# Altium PCB Hvamp_32.PCBDOC (part 2 of 6)
Units mm, origin at the board's own origin, x right, y up, seen from the top; angles counter-clockwise.
Board outline 125.1 x 100.1 mm, 6 copper layers (L1, L2, L3, L4, P5, L6), stack 1.514 mm thick; 578 components, 364 nets, 1709 pads, 908 vias.
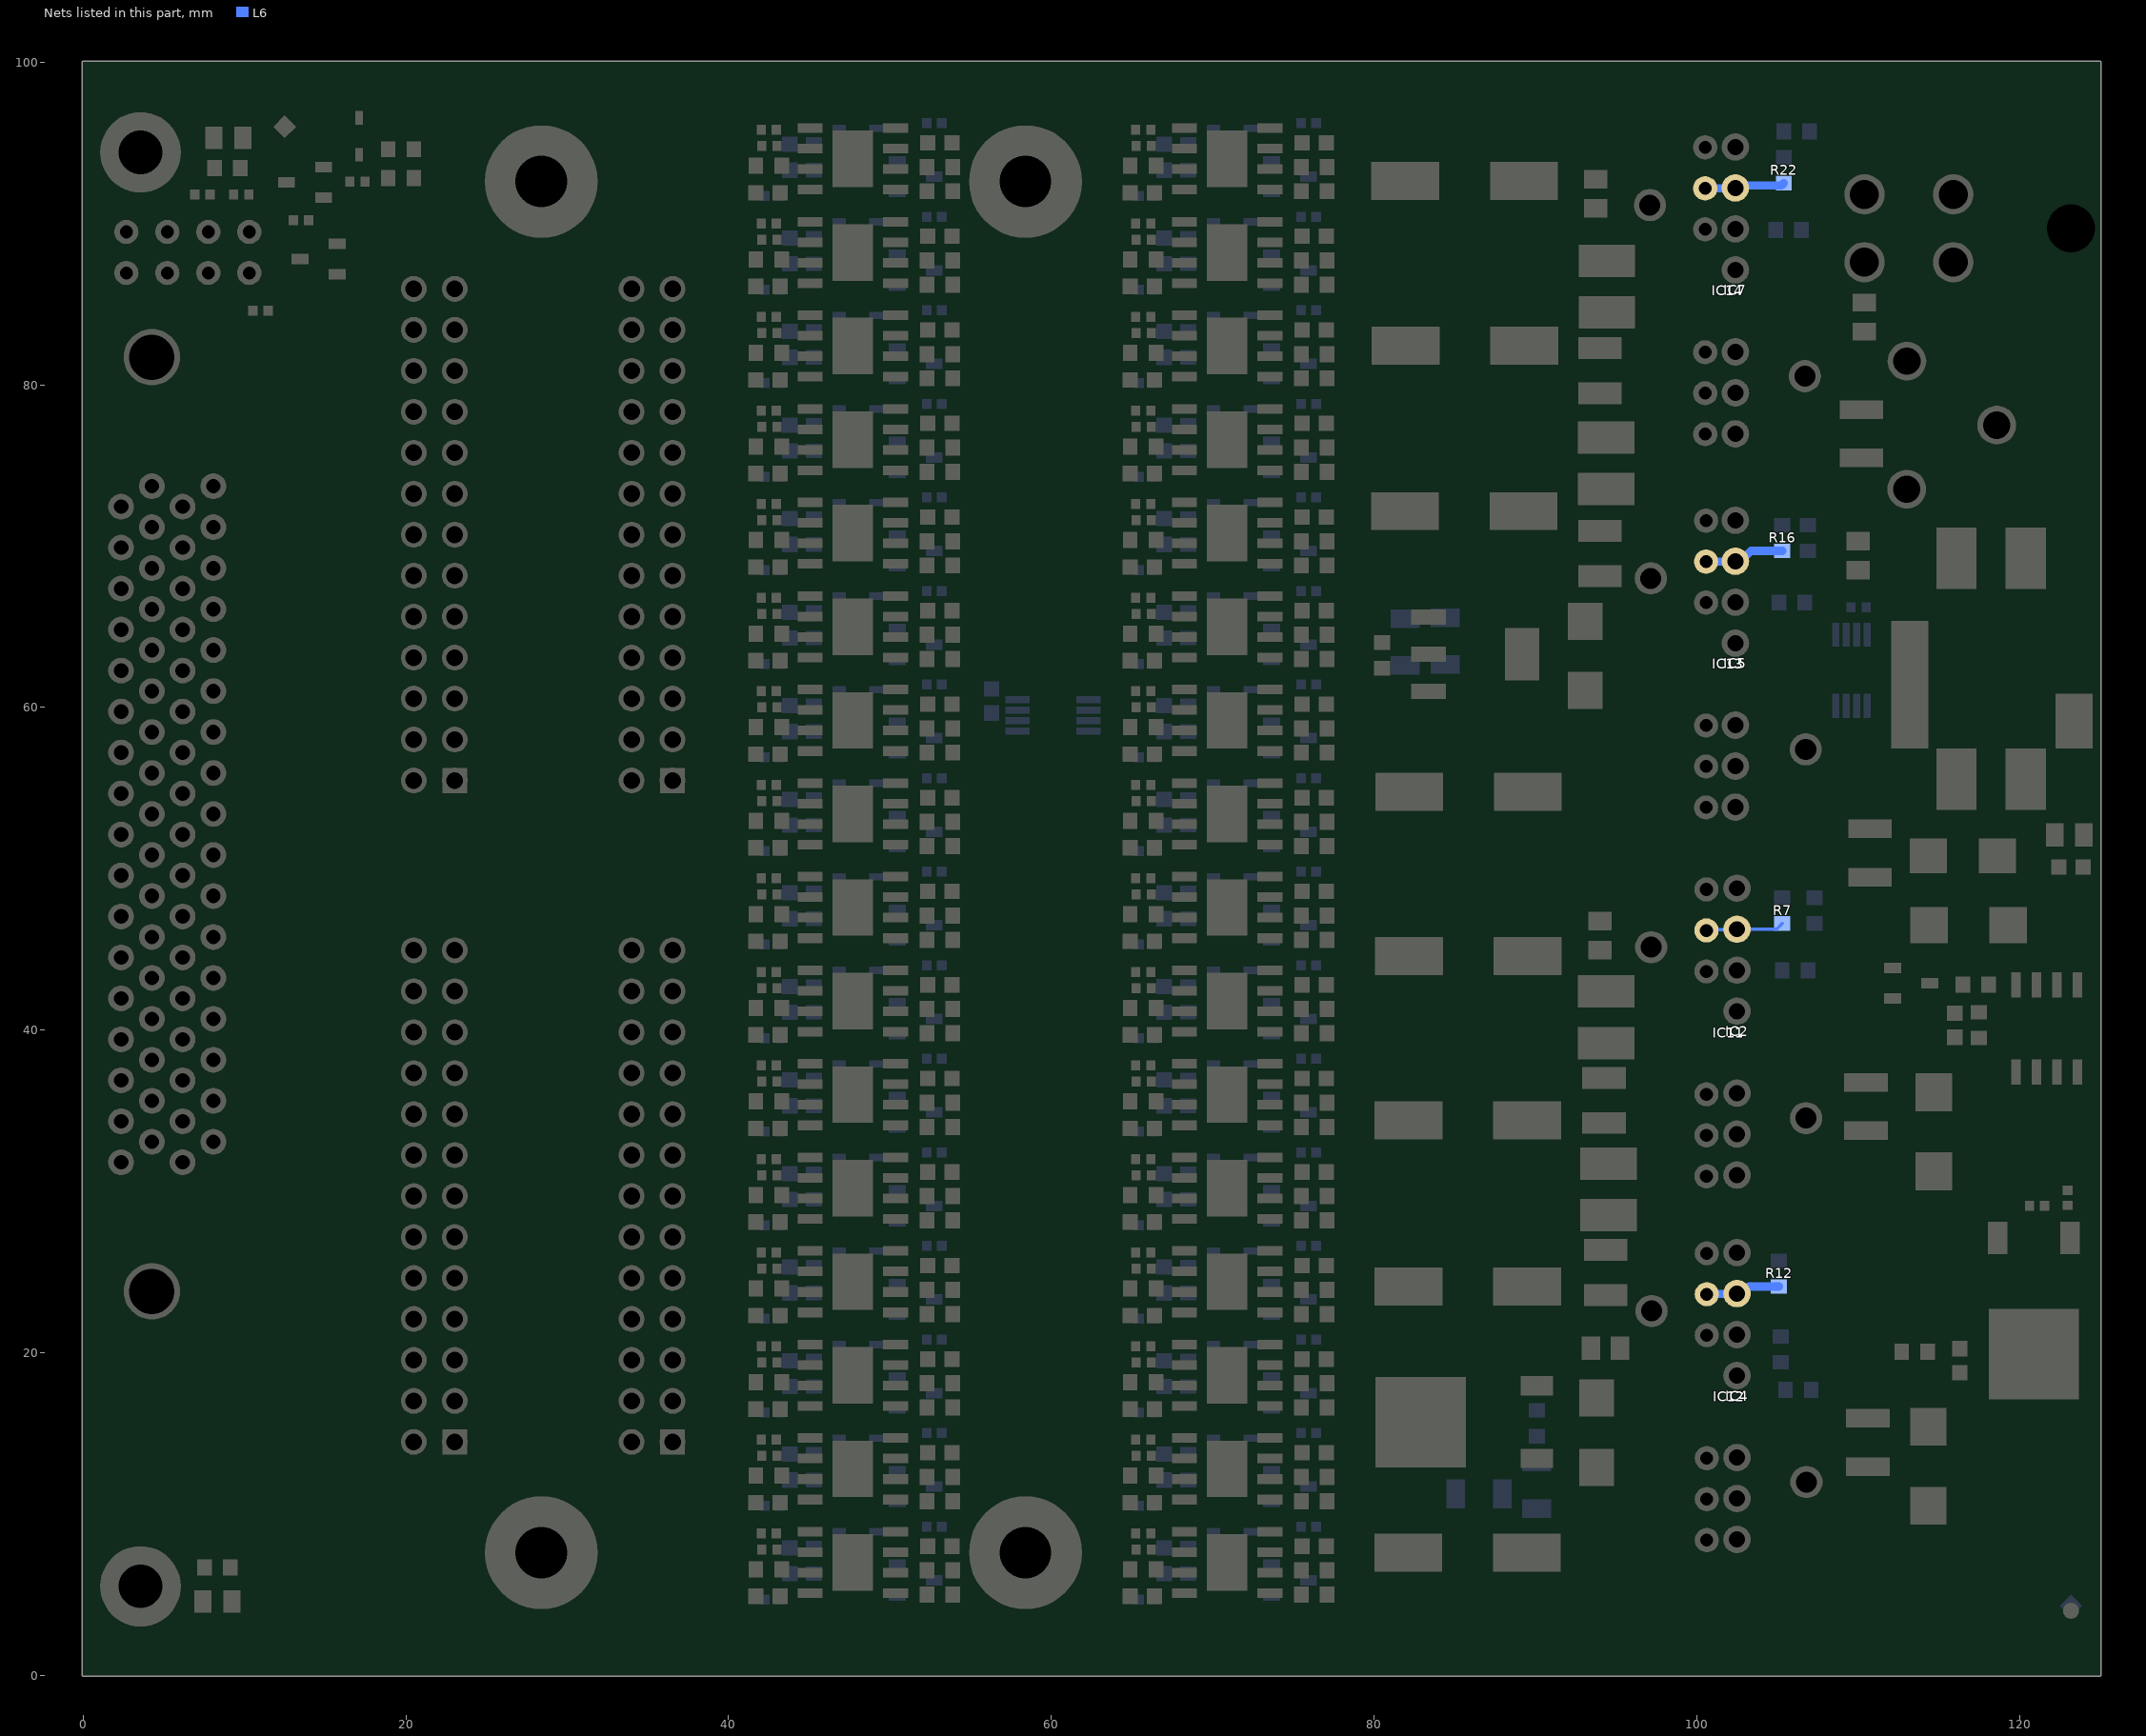
[diagram p6: the nets of this part, all layers, seen from the top]

## Components (designator, comment, footprint, x,y, rotation, side; value= is the part's Value field where it differs from the comment) (continued)
R2_26 "30" RESC1608X55N 53.1,58.7 r0 top (schematic designator R2)
R2_27 "30" RESC1608X55N 53.1,64.5 r0 top (schematic designator R2)
R2_28 "30" RESC1608X55N 53.1,70.3 r0 top (schematic designator R2)
R2_29 "30" RESC1608X55N 53.1,76.1 r0 top (schematic designator R2)
R2_30 "30" RESC1608X55N 53.1,81.9 r0 top (schematic designator R2)
R2_31 "30" RESC1608X55N 53.1,87.7 r0 top (schematic designator R2)
R2_32 "30" RESC1608X55N 53.1,93.5 r0 top (schematic designator R2)
R3_1 "30k" RESC1005X40N 42.5,8.8 r0 top (schematic designator R3)
R3_2 "30k" RESC1005X40N 42.5,14.6 r0 top (schematic designator R3)
R3_3 "30k" RESC1005X40N 42.5,20.4 r0 top (schematic designator R3)
R3_4 "30k" RESC1005X40N 42.5,26.2 r0 top (schematic designator R3)
R3_5 "30k" RESC1005X40N 42.5,32 r0 top (schematic designator R3)
R3_6 "30k" RESC1005X40N 42.5,37.8 r0 top (schematic designator R3)
R3_7 "30k" RESC1005X40N 42.5,43.6 r0 top (schematic designator R3)
R3_8 "30k" RESC1005X40N 42.5,49.4 r0 top (schematic designator R3)
R3_9 "30k" RESC1005X40N 65.7,8.8 r0 top (schematic designator R3)
R3_10 "30k" RESC1005X40N 65.7,14.6 r0 top (schematic designator R3)
R3_11 "30k" RESC1005X40N 65.7,20.4 r0 top (schematic designator R3)
R3_12 "30k" RESC1005X40N 65.7,26.2 r0 top (schematic designator R3)
R3_13 "30k" RESC1005X40N 65.7,32 r0 top (schematic designator R3)
R3_14 "30k" RESC1005X40N 65.7,37.8 r0 top (schematic designator R3)
R3_15 "30k" RESC1005X40N 65.7,43.6 r0 top (schematic designator R3)
R3_16 "30k" RESC1005X40N 65.7,49.4 r0 top (schematic designator R3)
R3_17 "30k" RESC1005X40N 65.7,55.2 r0 top (schematic designator R3)
R3_18 "30k" RESC1005X40N 65.7,61 r0 top (schematic designator R3)
R3_19 "30k" RESC1005X40N 65.7,66.8 r0 top (schematic designator R3)
R3_20 "30k" RESC1005X40N 65.7,72.6 r0 top (schematic designator R3)
R3_21 "30k" RESC1005X40N 65.7,78.4 r0 top (schematic designator R3)
R3_22 "30k" RESC1005X40N 65.7,84.2 r0 top (schematic designator R3)
R3_23 "30k" RESC1005X40N 65.7,90 r0 top (schematic designator R3)
R3_24 "30k" RESC1005X40N 65.7,95.8 r0 top (schematic designator R3)
R3_25 "30k" RESC1005X40N 42.5,55.2 r0 top (schematic designator R3)
R3_26 "30k" RESC1005X40N 42.5,61 r0 top (schematic designator R3)
R3_27 "30k" RESC1005X40N 42.5,66.8 r0 top (schematic designator R3)
R3_28 "30k" RESC1005X40N 42.5,72.6 r0 top (schematic designator R3)
R3_29 "30k" RESC1005X40N 42.5,78.4 r0 top (schematic designator R3)
R3_30 "30k" RESC1005X40N 42.5,84.2 r0 top (schematic designator R3)
R3_31 "30k" RESC1005X40N 42.5,90 r0 top (schematic designator R3)
R3_32 "30k" RESC1005X40N 42.5,95.8 r0 top (schematic designator R3)
R4_1 "30k" RESC1005X40N 42.53,7.8 r0 top (schematic designator R4)
R4_2 "30k" RESC1005X40N 42.53,13.6 r0 top (schematic designator R4)
R4_3 "30k" RESC1005X40N 42.53,19.4 r0 top (schematic designator R4)
R4_4 "30k" RESC1005X40N 42.53,25.2 r0 top (schematic designator R4)
R4_5 "30k" RESC1005X40N 42.53,31 r0 top (schematic designator R4)
R4_6 "30k" RESC1005X40N 42.53,36.8 r0 top (schematic designator R4)
R4_7 "30k" RESC1005X40N 42.53,42.6 r0 top (schematic designator R4)
R4_8 "30k" RESC1005X40N 42.53,48.4 r0 top (schematic designator R4)
R4_9 "30k" RESC1005X40N 65.73,7.8 r0 top (schematic designator R4)
R4_10 "30k" RESC1005X40N 65.73,13.6 r0 top (schematic designator R4)
R4_11 "30k" RESC1005X40N 65.73,19.4 r0 top (schematic designator R4)
R4_12 "30k" RESC1005X40N 65.73,25.2 r0 top (schematic designator R4)
R4_13 "30k" RESC1005X40N 65.73,31 r0 top (schematic designator R4)
R4_14 "30k" RESC1005X40N 65.73,36.8 r0 top (schematic designator R4)
R4_15 "30k" RESC1005X40N 65.73,42.6 r0 top (schematic designator R4)
R4_16 "30k" RESC1005X40N 65.73,48.4 r0 top (schematic designator R4)
R4_17 "30k" RESC1005X40N 65.73,54.2 r0 top (schematic designator R4)
R4_18 "30k" RESC1005X40N 65.73,60 r0 top (schematic designator R4)
R4_19 "30k" RESC1005X40N 65.73,65.8 r0 top (schematic designator R4)
R4_20 "30k" RESC1005X40N 65.73,71.6 r0 top (schematic designator R4)
R4_21 "30k" RESC1005X40N 65.73,77.4 r0 top (schematic designator R4)
R4_22 "30k" RESC1005X40N 65.73,83.2 r0 top (schematic designator R4)
R4_23 "30k" RESC1005X40N 65.73,89 r0 top (schematic designator R4)
R4_24 "30k" RESC1005X40N 65.73,94.8 r0 top (schematic designator R4)
R4_25 "30k" RESC1005X40N 42.53,54.2 r0 top (schematic designator R4)
R4_26 "30k" RESC1005X40N 42.53,60 r0 top (schematic designator R4)
R4_27 "30k" RESC1005X40N 42.53,65.8 r0 top (schematic designator R4)
R4_28 "30k" RESC1005X40N 42.53,71.6 r0 top (schematic designator R4)
R4_29 "30k" RESC1005X40N 42.53,77.4 r0 top (schematic designator R4)
R4_30 "30k" RESC1005X40N 42.53,83.2 r0 top (schematic designator R4)
R4_31 "30k" RESC1005X40N 42.53,89 r0 top (schematic designator R4)
R4_32 "30k" RESC1005X40N 42.53,94.8 r0 top (schematic designator R4)
R5_1 "150k" RESC1608X55N 42.494,6.574 r0 top (schematic designator R5)
R5_2 "150k" RESC1608X55N 42.494,12.374 r0 top (schematic designator R5)
R5_3 "150k" RESC1608X55N 42.494,18.174 r0 top (schematic designator R5)
R5_4 "150k" RESC1608X55N 42.494,23.974 r0 top (schematic designator R5)
R5_5 "150k" RESC1608X55N 42.494,29.774 r0 top (schematic designator R5)
R5_6 "150k" RESC1608X55N 42.494,35.574 r0 top (schematic designator R5)
R5_7 "150k" RESC1608X55N 42.494,41.374 r0 top (schematic designator R5)
R5_8 "150k" RESC1608X55N 42.494,47.174 r0 top (schematic designator R5)
R5_9 "150k" RESC1608X55N 65.694,6.574 r0 top (schematic designator R5)
R5_10 "150k" RESC1608X55N 65.694,12.374 r0 top (schematic designator R5)
R5_11 "150k" RESC1608X55N 65.694,18.174 r0 top (schematic designator R5)
R5_12 "150k" RESC1608X55N 65.694,23.974 r0 top (schematic designator R5)
R5_13 "150k" RESC1608X55N 65.694,29.774 r0 top (schematic designator R5)
R5_14 "150k" RESC1608X55N 65.694,35.574 r0 top (schematic designator R5)
R5_15 "150k" RESC1608X55N 65.694,41.374 r0 top (schematic designator R5)
R5_16 "150k" RESC1608X55N 65.694,47.174 r0 top (schematic designator R5)
R5_17 "150k" RESC1608X55N 65.694,52.974 r0 top (schematic designator R5)
R5_18 "150k" RESC1608X55N 65.694,58.774 r0 top (schematic designator R5)
R5_19 "150k" RESC1608X55N 65.694,64.574 r0 top (schematic designator R5)
R5_20 "150k" RESC1608X55N 65.694,70.374 r0 top (schematic designator R5)
R5_21 "150k" RESC1608X55N 65.694,76.174 r0 top (schematic designator R5)
R5_22 "150k" RESC1608X55N 65.694,81.974 r0 top (schematic designator R5)
R5_23 "150k" RESC1608X55N 65.694,87.774 r0 top (schematic designator R5)
R5_24 "150k" RESC1608X55N 65.694,93.574 r0 top (schematic designator R5)
R5_25 "150k" RESC1608X55N 42.494,52.974 r0 top (schematic designator R5)
R5_26 "150k" RESC1608X55N 42.494,58.774 r0 top (schematic designator R5)
R5_27 "150k" RESC1608X55N 42.494,64.574 r0 top (schematic designator R5)
R5_28 "150k" RESC1608X55N 42.494,70.374 r0 top (schematic designator R5)
R5_29 "150k" RESC1608X55N 42.494,76.174 r0 top (schematic designator R5)
R5_30 "150k" RESC1608X55N 42.494,81.974 r0 top (schematic designator R5)
R5_31 "150k" RESC1608X55N 42.494,87.774 r0 top (schematic designator R5)
R5_32 "150k" RESC1608X55N 42.494,93.574 r0 top (schematic designator R5)
R6 "Undefined" RESC1608X55N 106.1,43.7 r180 bottom
R7 "0" RESC1608X55N 105.3,47.4 r90 bottom
R8 "Undefined" RESC1608X55N 107.3,47.4 r90 bottom
R9 "33k" RESC1608X55N 19.7,92.8 r0 top
R10 "240" RESC1608X55N 90.094,15.621 r90 bottom
R11 "Undefined" RESC1608X55N 105.2,20.2 r90 bottom
R12 "0" RESC1608X55N 105.1,24.9 r90 bottom
R13 "5k1" RESC3216X65N 90.068,11.786 r90 bottom
R14 "Undefined" RESC1608X55N 106.3,17.7 r0 bottom
R15 "Undefined" RESC1608X55N 105.9,66.5 r180 bottom
R16 "0" RESC1608X55N 105.3,70.5 r90 bottom
R17 "0" RESC1608X55N 8.942,93.44 r180 top
R18 "Undefined" RESC1608X55N 106.9,70.5 r90 bottom
R19 "20k" RESC1608X55N 19.7,94.6 r0 top
R20 "5k1" RESC3216X65N 86.512,11.252 r0 bottom
R21 "Undefined" RESC1608X55N 105.7,89.6 r180 bottom
R22 "0" RESC1608X55N 105.4,93.3 r90 bottom
R23 "0" RESC1608X55N 8.324,6.673 r180 top
R24 "240" RESC1608X55N 80.493,63.221 r270 top
R25 "Undefined" RESC1608X55N 106.2,95.7 r180 bottom
R26 "33k" RESC1608X55N 113.513,20.066 r0 top
R27 "33k" RESC1608X55N 117.5,40.3 r90 top
R28 "33k" RESC1608X55N 117.3,42.8 r0 top
R29 "1k" RESC1005X40N 7.4,91.8 r0 top
R30 "1k" RESC1005X40N 13.5,90.2 r180 top
R31 "1k" RESC1005X40N 121.1,29.1 r180 top
R32 "1k5" RESC1005X40N 123,29.6 r270 top
R33 "1k" RESC1005X40N 11,84.6 r180 top
R34 "5k1" RESC3216X65N 84.404,64.11 r90 bottom
R35 "5k1" RESC3216X65N 81.94,64.059 r270 bottom
R46 "10k" RESC1005X40N 110.033,66.192 r0 bottom
R55 "1k" RESC1005X40N 9.8,91.8 r0 top
R58 "2k" RESC1005X40N 17,92.6 r0 top
R67_1 "0" RESC1608X55N 53.1,5 r0 top (schematic designator R67)
R67_2 "0" RESC1608X55N 53.1,10.8 r0 top (schematic designator R67)
R67_3 "0" RESC1608X55N 53.1,16.6 r0 top (schematic designator R67)
R67_4 "0" RESC1608X55N 53.1,22.4 r0 top (schematic designator R67)
R67_5 "0" RESC1608X55N 53.1,28.2 r0 top (schematic designator R67)
R67_6 "0" RESC1608X55N 53.1,34 r0 top (schematic designator R67)
R67_7 "0" RESC1608X55N 53.1,39.8 r0 top (schematic designator R67)
R67_8 "0" RESC1608X55N 53.1,45.6 r0 top (schematic designator R67)
R67_9 "0" RESC1608X55N 76.3,5 r0 top (schematic designator R67)
R67_10 "0" RESC1608X55N 76.3,10.8 r0 top (schematic designator R67)
R67_11 "0" RESC1608X55N 76.3,16.6 r0 top (schematic designator R67)
R67_12 "0" RESC1608X55N 76.3,22.4 r0 top (schematic designator R67)
R67_13 "0" RESC1608X55N 76.3,28.2 r0 top (schematic designator R67)
R67_14 "0" RESC1608X55N 76.3,34 r0 top (schematic designator R67)
R67_15 "0" RESC1608X55N 76.3,39.8 r0 top (schematic designator R67)
R67_16 "0" RESC1608X55N 76.3,45.6 r0 top (schematic designator R67)
R67_17 "0" RESC1608X55N 76.3,51.4 r0 top (schematic designator R67)
R67_18 "0" RESC1608X55N 76.3,57.2 r0 top (schematic designator R67)
R67_19 "0" RESC1608X55N 76.3,63 r0 top (schematic designator R67)
R67_20 "0" RESC1608X55N 76.3,68.8 r0 top (schematic designator R67)
R67_21 "0" RESC1608X55N 76.3,74.6 r0 top (schematic designator R67)
R67_22 "0" RESC1608X55N 76.3,80.4 r0 top (schematic designator R67)
R67_23 "0" RESC1608X55N 76.3,86.2 r0 top (schematic designator R67)
R67_24 "0" RESC1608X55N 76.3,92 r0 top (schematic designator R67)
R67_25 "0" RESC1608X55N 53.1,51.4 r0 top (schematic designator R67)
R67_26 "0" RESC1608X55N 53.1,57.2 r0 top (schematic designator R67)
R67_27 "0" RESC1608X55N 53.1,63 r0 top (schematic designator R67)
R67_28 "0" RESC1608X55N 53.1,68.8 r0 top (schematic designator R67)
R67_29 "0" RESC1608X55N 53.1,74.6 r0 top (schematic designator R67)
R67_30 "0" RESC1608X55N 53.1,80.4 r0 top (schematic designator R67)
R67_31 "0" RESC1608X55N 53.1,86.2 r0 top (schematic designator R67)
R67_32 "0" RESC1608X55N 53.1,92 r0 top (schematic designator R67)
SCREW1 "2 -56 UNC" TYCO_786585-2 -2.402,23.708 r180 top
SCREW2 "2 -56 UNC" TYCO_786585-2 -2.42,81.75 r180 top
SCREW3 "M3x6" BOSSARD_BN5687-3061605_v 28.4,92.6 r180 bottom
SCREW4 "M3x6" BOSSARD_BN5687-3061605_v 58.4,7.6 r180 bottom
SCREW5 "M3x6" BOSSARD_BN5687-3061605_v 28.4,7.6 r180 bottom
SCREW6 "M3x6" BOSSARD_BN5687-3061605_v 58.4,92.6 r180 bottom
SCREW7 "M3x6" BOSSARD_BN5687-3061605_v 28.4,92.6 r0 top
SCREW8 "M3x6" BOSSARD_BN5687-3061605_v 58.4,92.6 r0 top
SCREW9 "M3x6" BOSSARD_BN5687-3061605_v 28.4,7.6 r0 top
SCREW10 "M3x6" BOSSARD_BN5687-3061605_v 58.4,7.6 r0 top
ST1 "M3 18mm" R30-1001802 58.4,92.6 r0 top
ST3 "M3 18mm" R30-1001802 28.4,92.6 r0 top
ST4 "M3 18mm" R30-1001802 28.4,7.6 r0 top
ST5 "M3 18mm" R30-1001802 58.4,7.6 r0 top
T1 "BSS138LT1G" SOT95P240X110-3N 13.75,92.55 r180 top
T2 "BSS138LT1G" SOT95P240X110-3N 113.3,42.9 r0 top
T3 "SI4425DDY-T1-GE3" SOIC127P600X175-8N 121.7,40.1 r270 top
T4 "BSS138LT1G" SOT95P240X110-3N 14.6,87.8 r180 top
W1 "washer_M3_6mm_0.8mm" washer_M3_6mm_0.8mm 58.4,92.6 r0 top
W2 "washer_M3_6mm_0.8mm" washer_M3_6mm_0.8mm 58.4,7.6 r0 top
W3 "washer_M3_6mm_0.8mm" washer_M3_6mm_0.8mm 28.4,92.6 r0 top
W4 "washer_M3_6mm_0.8mm" washer_M3_6mm_0.8mm 28.4,7.6 r0 top

## Footprints (in the part's own frame and the unit in brackets; to place one, negate y for a bottom-side part, rotate by r counter-clockwise, add the part's x,y. Pads: shape width x height; smd on the part's side, far side on the other; paste and mask are expansions set on the pad)
3M_N2526-6002RB [mm] "26 Contacts - Straight .100\" x .100\" Low Profile Four-Wall Header"
  round 1.6 hole 1: 1(-15.24,-1.27) 2(-15.24,1.27) 3(-12.7,-1.27) 4(-12.7,1.27) 5(-10.16,-1.27) 6(-10.16,1.27) 7(-7.62,-1.27) 8(-7.62,1.27) 9(-5.08,-1.27) 10(-5.08,1.27) 11(-2.54,-1.27) 12(-2.54,1.27) 13(0,-1.27) 14(0,1.27) 15(2.54,-1.27) 16(2.54,1.27) 17(5.08,-1.27) 18(5.08,1.27) 19(7.62,-1.27) 20(7.62,1.27) 21(10.16,-1.27) 22(10.16,1.27) 23(12.7,-1.27) 24(12.7,1.27) 25(15.24,-1.27) 26(15.24,1.27)
  silkscreen extent -20.17,-4.85 20.17,4.52, body extent -20.17,-4.11 20.17,4.52, height 9.91
BOSSARD_BN5687-3061605_v [mm] "M3 L=6mm Hexalobular Socket Pan Head Screw, Fully Threaded - Stainless Steel A2"
  silkscreen extent -4,-4 4,4, body extent -2.8,-2.8 2.8,2.8, height 22.9
CAPAE9383X100M [mm] "Aluminum Electrolytic Capacitor, Body 8,30x8,30x10,00mm, IPC Low Density"
  rect 4.2x2.35 smd: 1(-3.675,0) 2(3.675,0)
  silkscreen extent -4.25,-4.25 4.25,4.25, body extent -4.65,-4.25 4.65,4.25, height 10
CAPC1608X87N [mm] "Chip Capacitor, Body 1.6x0.8mm IPC Medium Density"
  rect 0.95x1 smd: 1(-0.8,0) 2(0.8,0)
  body extent -0.87,-0.47 0.88,0.48, height 0.87
CAPC1608X90N [mm] "Chip Capacitor, Body 1.6x0.8mm IPC Medium Density"
  rect 0.95x0.95 smd: 1(-0.75,0) 2(0.75,0)
  body extent -0.85,-0.45 0.85,0.45, height 0.9
CAPC2012X95N [mm] "Chip Capacitor, Body 2.0x1.25mm, IPC Medium Density"
  rect 1.1x1.45 smd: 1(-0.9,0) 2(0.9,0)
  silkscreen extent 0,-0.58 0,0.58, body extent -1.05,-0.67 1.05,0.68, height 0.95
CAPC2012X135N [mm] "Chip Capacitor, Body 2.0x1.25mm, IPC Medium Density"
  rect 1.05x1.4 smd: 1(-0.9,0) 2(0.9,0)
  silkscreen extent 0,-0.58 0,0.58, body extent -1.05,-0.67 1.05,0.68, height 1.25
CAPC2012X145N [mm] "Chip Capacitor, Body 2.0x1.45mm, IPC Medium Density"
  rect 1.15x1.45 smd: 1(-0.9,0) 2(0.9,0)
  silkscreen extent 0,-0.58 0,0.58, body extent -1.05,-0.67 1.05,0.68, height 1.45
CAPC3225X230N [mm] "Chip Capacitor, Body 3.2x2.5mm, IPC Medium Density"
  rect 1.35x2.7 smd: 1(-1.4,0) 2(1.4,0)
  silkscreen extent -0.35,-1.25 0.35,1.25, body extent -1.7,-1.35 1.7,1.35, height 2.3
CAPC3225X270N [mm] "Chip Capacitor, Body 3.2x2.5mm, IPC Medium Density"
  rect 1.15x2.7 smd: 1(-1.5,0) 2(1.5,0)
  silkscreen extent -0.55,-1.25 0.55,1.25, body extent -1.7,-1.35 1.7,1.35, height 2.7
CAPMP6032X280N [mm] "Capacitor, Polarized, Molded  Body 6.0x3.2mm, IPC Medium Density"
  rect 2.35x2.25 smd: 1(-2.45,0) 2(2.45,0)
  silkscreen extent -3.8,-1.75 3.15,1.9, body extent -3.15,-1.75 3.15,1.75, height 2.8
DCDC_RECOM_RS6 [mm] "RS6 Series , Body 21.8x9.2mm, Compact SIP-8 Package"
  round 1.7 hole 1: 1(-8.89,1.4) 2(-6.35,1.4) 3(-3.81,1.4) 5(1.27,1.4) 6(3.81,1.4) 7(6.35,1.4) 8(8.89,1.4)
  silkscreen extent -11.15,-5.6 11.15,4.85, body extent -11.15,-4.85 11.15,4.85, height 11.6
DCDC_TRACO_TMR9WI [mm] "TMR 9 WI Series, Body 21.8x9.6mm, Compact SIP-8 Package"
  round 1.5 hole 0.8: 1(-8.9,1.375) 2(-6.36,1.375) 3(-3.82,1.375) 6(3.8,1.375) 7(6.34,1.375) 8(8.88,1.375)
  round 2 hole 1.3: 9(-5.3,-4.8) 12(5.3,4.8)
  silkscreen extent -11.22,-5.9 11.28,5.12, body extent -11.22,-5.02 11.28,5.16, height 11.7
DIODES-INC_TO-252-3L [mm] "DPAK TO-252, 2.28mm pitch; 2 pin, 9.7mm L X 6.7mm W X 2.40mm H body"
  rect 2x1.2 smd: 1(-4.5,2.25) 3(-4.5,-2.25)
  rect 5.6x5.6 smd: 2(2.7,0)
  silkscreen extent -5.43,-3.35 -1.1,3.39, body extent -5.2,-3.35 5.2,3.35, height 2.4
DIOM5336X265N [mm] "DO-214-AA/SMB Diode, Molded Body; 5.34mm L X 3.625mm W X 2.65mm H, IPC Medium Density"
  rect 2.3x2.15 smd: 1(-2.15,0) 2(2.15,0)
  silkscreen extent -3.93,-1.8 2.65,1.8, body extent -2.7,-1.95 2.7,1.95, height 2.4
FIDUCIAL_TOP_C100-200 [mm] "Round Fiducial Target, Top Layer, 1.0mm, Top Solder 2.0mm, Keepout =2.0mm"
  round 1 smd paste-0.51 mask+0.5: FTG2(0,0)
  L1 keep-out circle w0.1: c0,0 r1
FIDUCIAL_TOP_S100-200 [mm] "Square Fiducial Target, Top Layer, 1.0mm, Top Solder 2.0mm, Keepout =2.0mm"
  rect 1x1 smd rot 45 paste-0.51 mask+0.5: 1(0,0)
  L1 keep-out region: 1.414,0 0,-1.414 -1.414,0 0,1.414
FIL_MURATA_BNX02 [mm] "Block Type EMIFIL LC Combined Type, BNX02* Series"
  rect 3.8x2.5 smd: 1(-6.85,2.1) 2(6.85,2.1) 3(-6.85,-2.2) 4(6.85,-2.2)
  rect 7.9x2.3 smd: 4(1,-5.1)
  rect 3.4x2.3 smd: 4(3.25,5.1)
  silkscreen extent -5.95,-4.45 7.77,5.05, body extent -6.05,-4.55 6.05,4.55, height 3.1
IND_MURATA-PS_8400 [mm] "Miniature Surface Mount Power Inductors, 4.5mm L X 3.3mm W X 2.9mm H, MURATA 8400 Series"
  rect 2x3.5 smd: 1(-1.6,0) 2(1.6,0)
  silkscreen extent -0.3,-1.8 0.3,1.8, body extent -2.4,-1.8 2.4,1.8, height 2.9
INDC1005X55N [mm] "Chip Inductor, 2-Leads, EIA 0402, Metric 1005, Body 1x0.5mm, 0402IPC Medium Density"
  rect 0.6x0.62 smd: 1(-0.46,0) 2(0.46,0)
  body extent -0.52,-0.27 0.53,0.28, height 0.55
LED_BIVAR_H485CHHGGDL [mm] "Quad-Level 2mm (Green+Green+HeRed+HeRed) LED, PCB Edge Mounting BIVAR H485C Serie"
  round 1.5 hole 0.8: 1(-3.81,-1.27) 2(-3.81,1.27) 3(-1.27,-1.27) 4(-1.27,1.27) 5(1.27,-1.27) 6(1.27,1.27) 7(3.81,-1.27) 8(3.81,1.27)
  silkscreen extent -9.99,-2.55 4.71,2.55, body extent -9.99,-2.55 4.71,2.55, height 11.3
MOLEX_39-30-0040 [mm] "4.20mm (.165\") Pitch Mini-Fit Jr. Header, Dual Row, Right Angle with Snap-in Plastic Peg PCB Lock, 4 Circuits"
  round 2.5 hole 1.8: 1(-2.1,2.75) 2(2.1,2.75) 3(-2.1,-2.75) 4(2.1,-2.75)
  round 1 hole 3 unplated mask+1: 5(0,10.05)
  silkscreen extent -5.2,-1.24 4.8,16.65, body extent -5.2,-3.28 4.8,16.65, height 11.4
MTG270_500 [mm] "Plated Through Hole: Hole Dia.=2.7mm Pad Dia.=5.0mm"
  round 5 / inner round 4 / far side round 5 hole 2.7: 1(0,0)
MTG320_700 [mm] "Plated Through Hole: Hole Dia.=3.2mm Pad Dia.=7.0mm"
  round 7 hole 3.2: 1(0,0)
R30-1001802 [mm] "Harwin R30-100 18mm hex standoff"
  body extent -2.83,-2.45 2.83,2.45, height 18.8
RESC1005X40N [mm] "Chip Resistor, EIA 0402, Metric 1005, Body 1.0x0.5mm, IPC Medium Density"
  rect 0.58x0.62 smd: 1(-0.47,0) 2(0.47,0)
  body extent -0.52,-0.27 0.53,0.28, height 0.4
RESC1608X55N [mm] "Chip Resistor, EIA 0603, Metric 1608, Body 1.6x0.8mm, IPC Medium Density"
  rect 0.9x1 smd: 1(-0.8,0) 2(0.8,0)
  body extent -0.87,-0.47 0.88,0.48, height 0.55
RESC3216X65N [mm] "Chip Resistor, EIA 1206, Metric 3216, Body 3.2x1.6mm, IPC Medium Density"
  rect 1.15x1.8 smd: 1(-1.45,0) 2(1.45,0)
  silkscreen extent -0.5,-0.9 0.5,0.9, body extent -1.67,-0.87 1.68,0.88, height 0.65
SMTC-ESW-113-23-X-D [mm] "Elevated Socket, 2x13 Pins, Vertical, 2.54mm Pitch, Female"
  rect 1.55x1.55 hole 1.04: 1(0,0)
  round 1.55 hole 1.04: 2(0,-2.54) 3(2.54,0) 4(2.54,-2.54) 5(5.08,0) 6(5.08,-2.54) 7(7.62,0) 8(7.62,-2.54) 9(10.16,0) 10(10.16,-2.54) 11(12.7,0) 12(12.7,-2.54) 13(15.24,0) 14(15.24,-2.54) 15(17.78,0) 16(17.78,-2.54) 17(20.32,0) 18(20.32,-2.54) 19(22.86,0) 20(22.86,-2.54) 21(25.4,0) 22(25.4,-2.54) 23(27.94,0) 24(27.94,-2.54) 25(30.48,0) 26(30.48,-2.54)
  silkscreen extent -1.65,-3.74 32.13,1.2, body extent -1.52,-3.81 32,1.27, height 13.59
SODFL2512X100N [mm] "SODFL Diode; 1.70mm W X 1.25mm L X 1.00mm H body, IPC Medium Density"
  rect 0.84x0.46 smd: 1(-1.14,0) 2(1.14,0)
  silkscreen extent -1.48,-0.65 0.85,0.85, body extent -1.35,-0.65 1.35,0.65, height 1
SOIC127P599X175-9N-R249X350 [mm] "SOIC,1.27mm pitch;8 pin,3.899mm W X 4.903mm L X 1.75mm H body ((w/thermal tab 2.489mm X 3.505mm), IPC Medium Density"
  rect 1.55x0.6 smd: 1(-2.65,1.905) 2(-2.65,0.635) 3(-2.65,-0.635) 4(-2.65,-1.905) 5(2.65,-1.905) 6(2.65,-0.635) 7(2.65,0.635) 8(2.65,1.905)
  rect 2.49x3.5 smd: 9(0,0)
  silkscreen extent -3.27,-2.45 1.5,2.87, body extent -3.1,-2.5 3.1,2.5, height 1.75
SOIC127P600X175-8N [mm] "SOIC 8, Pitch 1.27mm - Body 4x5mm, IPC Medium Density"
  rect 1.55x0.6 smd: 1(-2.7,1.905) 2(-2.7,0.635) 3(-2.7,-0.635) 4(-2.7,-1.905) 5(2.7,-1.905) 6(2.7,-0.635) 7(2.7,0.635) 8(2.7,1.905)
  silkscreen extent -2.52,-2.5 1.55,2.88, body extent -3.1,-2.5 3.1,2.5, height 1.75
SOP65P490X109-8N [mm] "SOP, 0.65mm pitch; 8 pin,3.00mm W X 3.00mm L X 1.09mm H bodyI, PC Medium Density"
  rect 1.5x0.45 smd: 1(-2.2,0.975) 2(-2.2,0.325) 3(-2.2,-0.325) 4(-2.2,-0.975) 5(2.2,-0.975) 6(2.2,-0.325) 7(2.2,0.325) 8(2.2,0.975)
  silkscreen extent -2.83,-1.5 1.12,1.82, body extent -2.45,-1.55 2.45,1.55, height 1.09
SOT95P240X110-3N [mm] "SOT23 3-Leads, Pitch 0.95mm, Body 1.3x2.9mm, IPC Medium Density"
  rect 1.05x0.65 smd: 1(-1.15,0.95) 2(-1.15,-0.95) 3(1.15,0)
  silkscreen extent -1.53,-1.45 0.3,1.92, body extent -1.25,-1.5 1.25,1.5, height 1.1
SOT95P240X130-3N [mm] "SOT23 3-Leads, Pitch 0.95mm - Body 1.3x2.9mm, IPC Medium Density"
  rect 1.05x0.65 smd: 1(-1.15,0.95) 2(-1.15,-0.95) 3(1.15,0)
  silkscreen extent -1.52,-1.45 0.3,1.92, body extent -1.25,-1.5 1.25,1.5, height 1.3
SOT230P700X180-4N [mm] "SOT223, 2.30mm pitch; 3 pin, 3.70mm W X 6.70mm L, IPC Medium Density"
  rect 2.15x0.95 smd: 1(-2.9,2.3) 2(-2.9,0) 3(-2.9,-2.3)
  rect 2.15x3.25 smd: 4(2.9,0)
  silkscreen extent -3.87,-3.35 1.45,3.47, body extent -3.65,-3.35 3.65,3.35, height 1.81
SWITCHCRAFT_712RA [mm] "2.5 mm Center Pin, 5A, 48VDC, Right Angle, Through Hole, Locking Power Jack Connector (Threaded Bushings)"
  round 2.4 hole 1.7: 1(-3.972,5.578) 2(0,0) 3(3.965,5.573)
  silkscreen extent -5.51,-13.85 5.51,4.04, body extent -5.51,-13.85 5.51,6.96, height 13.89
TYCO_786585-2 [mm] "50SR SCREWLOCK KIT, FEMALE"
  silkscreen extent -4.04,-2.74 5.26,2.74, body extent -9.01,-2.74 5.26,2.74, height 2.37
TYCO_5787082-7 [mm] "68 contacts, AMPLIMITE .050\", Right Angled Receptacle Series III"
  round 1.6 hole 0.9: 1(20.955,0.952) 2(19.685,2.858) 3(18.415,0.952) 4(17.145,2.858) 5(15.875,0.952) 6(14.605,2.858) 7(13.335,0.952) 8(12.065,2.858) 9(10.795,0.952) 10(9.525,2.858) 11(8.255,0.952) 12(6.985,2.858) 13(5.715,0.952) 14(4.445,2.858) 15(3.175,0.952) 16(1.905,2.858) 17(0.635,0.952) 18(-0.635,2.857) 19(-1.905,0.952) 20(-3.175,2.857) 21(-4.445,0.952) 22(-5.715,2.857) 23(-6.985,0.952) 24(-8.255,2.857) 25(-9.525,0.952) 26(-10.795,2.857) 27(-12.065,0.952) 28(-13.335,2.857) 29(-14.605,0.952) 30(-15.875,2.857) 31(-17.145,0.952) 32(-18.415,2.857) 33(-19.685,0.952) 34(-20.955,2.857) 35(20.955,-2.858) 36(19.685,-0.953) 37(18.415,-2.858) 38(17.145,-0.953) 39(15.875,-2.858) 40(14.605,-0.953) 41(13.335,-2.858) 42(12.065,-0.953) 43(10.795,-2.858) 44(9.525,-0.953) 45(8.255,-2.858) 46(6.985,-0.953) 47(5.715,-2.858) 48(4.445,-0.953) 49(3.175,-2.858) 50(1.905,-0.953) 51(0.635,-2.858) 52(-0.635,-0.953) 53(-1.905,-2.858) 54(-3.175,-0.953) 55(-4.445,-2.858) 56(-5.715,-0.953) 57(-6.985,-2.858) 58(-8.255,-0.953) 59(-9.525,-2.858) 60(-10.795,-0.953) 61(-12.065,-2.858) 62(-13.335,-0.953) 63(-14.605,-2.858) 64(-15.875,-0.953) 65(-17.145,-2.858) 66(-18.415,-0.953) 67(-19.685,-2.858) 68(-20.955,-0.953)
  round 3.5 hole 2.8: 69(-28.955,-0.953) 70(28.955,-0.952)
  silkscreen extent -31.94,-12.74 31.94,5.05, body extent -31.94,-12.74 31.94,4.13, height 9.5
washer_M3_6mm_0.8mm [mm] "M3 washer accu HAFZ-M3-A4"
  body extent -3,-3 3,3, height 0.8
